# Allegro board 8880F5-0823_RXTX.brd (continued)
## Nets (continued)
N26496035: UNK3K12.5 UNK3R132.1
N26496039: UNK3K33.2 UNK3R82.1
N26496040: UNK3K33.4 UNK3R117.1
N26496047: UNK3K18.4 UNK3R5.1 UNK3R6.2
N26496049: UNK3K18.5 UNK3R6.1 UNK3R133.1
N26496050: UNK3C5.1 UNK3R133.2 UNK3Y1.1 UNK3Y2.1
N26496051: UNK3C6.1 UNK3R5.2 UNK3Y1.3 UNK3Y2.3
N26496080: UNK3K13.5 UNK3R120.2
N26496081: UNK3K13.4 UNK3R119.2
N26496142: UNK3J5.1 UNK3K28.5 UNK3R84.2
N26496146: UNK3J4.1 UNK3K28.4 UNK3R83.2
N26500269: UNK3J2.1 UNK3R89.1
N26500273: UNK3J3.1 UNK3R96.1
N26500275: UNK3J3.3 UNK3R93.1
N26500282: UNK3R90.1 UNK3U1.7
N26500307: UNK3J2.2 UNK3U1.3
N26500316: UNK3R97.1 UNK3U2.7
N26500343: UNK3J3.2 UNK3U2.3
N26500354: UNK3J2.3 UNK3R86.1
N26501112: UNK3CA21.1 UNK3K34.5
N26501118: UNK3CA23.1 UNK3K36.5 UNK3K36.8
N26501123: UNK3CA24.1 UNK3K37.5
N26501243: UNK3CA29.1 UNK3K42.5
N26501249: UNK3CA26.1 UNK3K39.5
N26501321: UNK3CA34.1 UNK3K31.5
N26501327: UNK3CA27.1 UNK3K40.5
N26501460: UNK3CA37.1 UNK3K39.8
N26501466: UNK3CA40.1 UNK3K42.8
N26501470: UNK3CA28.1 UNK3K40.8
N26501472: UNK3CA25.1 UNK3K37.8
N26501478: UNK3CA22.1 UNK3K34.8
N26504239: UNK4K25.3 UNK4R55.2
N26504240: UNK4K25.4 UNK4R56.1
N26504241: UNK4K25.6 UNK4R57.2
N26504242: UNK4K25.5 UNK4R58.1
N26504244: UNK4K26.3 UNK4R59.2
N26504245: UNK4K26.4 UNK4R60.1
N26504246: UNK4K26.6 UNK4R61.2
N26504247: UNK4K26.5 UNK4R62.1
N26504249: UNK4K27.5 UNK4R66.1
N26504250: UNK4K27.6 UNK4R65.2
N26504257: UNK4K22.6 UNK4R45.2
N26504258: UNK4K22.5 UNK4R46.1
N26504259: UNK4K23.3 UNK4R47.2
N26504260: UNK4K23.4 UNK4R48.1
N26504261: UNK4K23.6 UNK4R49.2
N26504262: UNK4K23.5 UNK4R50.1
N26504264: UNK4K24.3 UNK4R51.2
N26504265: UNK4K24.4 UNK4R52.1
N26504266: UNK4K24.6 UNK4R53.2
N26504267: UNK4K24.5 UNK4R54.1
N26504282: UNK4K22.3 UNK4R102.2
N26504283: UNK4K22.4 UNK4R103.1
N26504284: UNK4K27.3 UNK4R104.2
N26504285: UNK4K27.4 UNK4R105.1
N26504400: S4_RST_N.2 UNK4J1.2 UNK4K10.4 UNK4R85.2
N26504405: UNK4C7.1 UNK4J1.1
N26504440: UNK4K17.3 UNK4R71.2
N26504441: UNK4K17.4 UNK4R72.1
N26504442: UNK4K17.5 UNK4R74.1
N26504443: UNK4K17.6 UNK4R73.2
N26504444: UNK4K21.3 UNK4R75.2
N26504445: UNK4K21.4 UNK4R76.1
N26504446: UNK4K21.5 UNK4R78.1
N26504447: UNK4K21.6 UNK4R77.2
N26504448: UNK4K29.3 UNK4R79.2
N26504449: UNK4K29.4 UNK4R80.1
N26504450: UNK4K29.6 UNK4R43.2
N26504451: UNK4K29.5 UNK4R44.1
N26504452: UNK4K30.3 UNK4R63.2
N26504453: UNK4K30.4 UNK4R64.1
N26504454: UNK4K30.5 UNK4R101.1
N26504455: UNK4K30.6 UNK4R100.2
N26504536: UNK4K16.3 UNK4R67.2
N26504537: UNK4K16.4 UNK4R68.1
N26504538: UNK4K16.5 UNK4R70.1
N26504539: UNK4K16.6 UNK4R69.2
N26504561: UNK4K6.5 UNK4R30.1
N26504563: UNK4K6.3 UNK4R27.2
N26504564: UNK4K6.4 UNK4R28.1
N26504565: UNK4K6.6 UNK4R29.2
N26504566: UNK4K7.5 UNK4R34.1
N26504568: UNK4K7.3 UNK4R31.2
N26504569: UNK4K7.4 UNK4R32.1
N26504570: UNK4K7.6 UNK4R33.2
N26504612: UNK4K11.3 UNK4R39.2
N26504613: UNK4K11.4 UNK4R40.1
N26504614: UNK4K8.5 UNK4R38.1
N26504616: UNK4K8.6 UNK4R37.2
N26504617: UNK4K11.6 UNK4R41.2
N26504618: UNK4K11.5 UNK4R42.1
N26504660: UNK4K5.5 UNK4R26.1
N26504662: UNK4K5.3 UNK4R23.2
N26504663: UNK4K5.4 UNK4R24.1
N26504664: UNK4K5.6 UNK4R25.2
N26504685: UNK4K3.5 UNK4R18.1
N26504686: UNK4K3.6 UNK4R17.2
N26504687: UNK4K3.4 UNK4R16.1
N26504688: UNK4K3.3 UNK4R15.2
N26504691: UNK4K1.5 UNK4R10.1
N26504692: UNK4K1.6 UNK4R9.2
N26504693: UNK4K1.4 UNK4R8.1
N26504694: UNK4K1.3 UNK4R7.2
N26504696: UNK4K2.3 UNK4R11.2
N26504697: UNK4K2.4 UNK4R12.1
N26504698: UNK4K4.5 UNK4R22.1
N26504700: UNK4K4.3 UNK4R19.2
N26504701: UNK4K4.4 UNK4R20.1
N26504702: UNK4K4.6 UNK4R21.2
N26504703: UNK4K2.5 UNK4R14.1
N26504704: UNK4K2.6 UNK4R13.2
N26504890: UNK4K12.4 UNK4R131.1
N26504892: UNK4K12.5 UNK4R132.1
N26504896: UNK4K33.2 UNK4R82.1
N26504897: UNK4K33.4 UNK4R117.1
N26504904: UNK4K18.4 UNK4R5.1 UNK4R6.2
N26504906: UNK4K18.5 UNK4R6.1 UNK4R133.1
N26504907: UNK4C5.1 UNK4R133.2 UNK4Y1.1 UNK4Y2.1
N26504908: UNK4C6.1 UNK4R5.2 UNK4Y1.3 UNK4Y2.3
N26504937: UNK4K13.5 UNK4R120.2
N26504938: UNK4K13.4 UNK4R119.2
N26504999: UNK4J5.1 UNK4K28.5 UNK4R84.2
N26505003: UNK4J4.1 UNK4K28.4 UNK4R83.2
N26509126: UNK4J2.1 UNK4R89.1
N26509130: UNK4J3.1 UNK4R96.1
N26509132: UNK4J3.3 UNK4R93.1
N26509139: UNK4R90.1 UNK4U1.7
N26509164: UNK4J2.2 UNK4U1.3
N26509173: UNK4R97.1 UNK4U2.7
N26509200: UNK4J3.2 UNK4U2.3
N26509211: UNK4J2.3 UNK4R86.1
N26509969: UNK4CA21.1 UNK4K34.5
N26509975: UNK4CA23.1 UNK4K36.5 UNK4K36.8
N26509980: UNK4CA24.1 UNK4K37.5
N26510100: UNK4CA29.1 UNK4K42.5
N26510106: UNK4CA26.1 UNK4K39.5
N26510178: UNK4CA34.1 UNK4K31.5
N26510184: UNK4CA27.1 UNK4K40.5
N26510317: UNK4CA37.1 UNK4K39.8
N26510323: UNK4CA40.1 UNK4K42.8
N26510327: UNK4CA28.1 UNK4K40.8
N26510329: UNK4CA25.1 UNK4K37.8
N26510335: UNK4CA22.1 UNK4K34.8

Pads without a net: CSDPS225 A17 B17 C17 D17; CSDPS229 A17 B17 C17 D17; CSDPS425 A17 B17 C17 D17; CSDPS429 A17 B17 C17 D17; D101/D501 A1 A2 A3 A4 A5 A6 A7 A8 A9 A10 A11 A12 A13 A14 A15 A16 A17 B1 B2 B3 B4 B5 B6 B7 B8 B9 B10 B11 B12 B13 B14 B15 B16 B17 C1 C2 C3 C4 C5 C6 C7 C8 C9 C10 C11 C12 C13 C14 C15 C16 C17 D2 D3 D4 D5 D6 D7 D8 D9 D10 D11 D12 D13 D14 D15 D16; D102 17 A17 B17; D103 17 A17 B17; D104 17 A17 B17; D105/D505 A1 A2 A3 A4 A5 A6 A7 A8 A9 A10 A11 A12 A13 A14 A15 A16 A17 B1 B2 B3 B4 B5 B6 B7 B8 B9 B10 B11 B12 B13 B14 B15 B16 B17 C1 C2 C3 C4 C5 C6 C7 C8 C9 C10 C11 C12 C13 C14 C15 C16 C17 D2 D3 D4 D5 D6 D7 D8 D9 D10 D11 D12 D13 D14 D15 D16; D106 17 A17 B17; D107 17 A17 B17; D108 17 A17 B17; D109 17 A17 B17; D110 17 A17 B17; D111 17 A17 B17; D112 17 A17 B17; D113 17 A17 B17; D114 17 A17 B17; D115 17 A17 B17; D116 17 A17 B17; D117/D517 A1 A2 A3 A4 A5 A6 A7 A8 A9 A10 A11 A12 A13 A14 A15 A16 A17 B1 B2 B3 B4 B5 B6 B7 B8 B9 B10 B11 B12 B13 B14 B15 B16 B17 C1 C2 C3 C4 C5 C6 C7 C8 C9 C10 C11 C12 C13 C14 C15 C16 C17 D2 D3 D4 D5 D6 D7 D8 D9 D10 D11 D12 D13 D14 D15 D16; D118 17 A17 B17; D119 17 A17 B17; D120 17 A17 B17; D121/D521 A1 A2 A3 A4 A5 A6 A7 A8 A9 A10 A11 A12 A13 A14 A15 A16 A17 B1 B2 B3 B4 B5 B6 B7 B8 B9 B10 B11 B12 B13 B14 B15 B16 B17 C1 C2 C3 C4 C5 C6 C7 C8 C9 C10 C11 C12 C13 C14 C15 C16 C17 D2 D3 D4 D5 D6 D7 D8 D9 D10 D11 D12 D13 D14 D15 D16; D122 17 A17 B17; D123 17 A17 B17; D124 17 A17 B17; D125 17 A17 B17; D126 17 A17 B17; D127 17 A17 B17; D128 17 A17 B17; D129 17 A17 B17; D130 17 A17 B17; D131 17 A17 B17; D132 17 A17 B17; D301 17 A17 B17; D302 17 A17 B17; D305 17 A17 B17; D306 17 A17 B17; D309 A1 A3 A5 A7 A9 A11 A13 A15 A17 B1 B2 B3 B4 B5 B6 B7 B8 B9 B10 B11 B12 B13 B14 B15 B16 B17 C1 C2 C3 C4 C5 C6 C7 C8 C9 C10 C11 C12 C13 C14 C15 C16 C17 D2 D4 D6 D8 D10 D12 D14 D16; D313 A1 A3 A5 A7 A9 A11 A13 A15 A17 B1 B2 B3 B4 B5 B6 B7 B8 B9 B10 B11 B12 B13 B14 B15 B16 B17 C1 C2 C3 C4 C5 C6 C7 C8 C9 C10 C11 C12 C13 C14 C15 C16 C17 D2 D4 D6 D8 D10 D12 D14 D16; D317 17 A17 B17; D318 17 A17 B17; D321 17 A17 B17; D322 17 A17 B17; DPS1 A04 A08 A10 A14 B04 B08 B10 B14 C04 C08 C10 C14; DPS2 A04 A08 A10 A14 B04 B08 B10 B14 C04 C08 C10 C14; DPS3 A04 A08 A10 A14 B04 B08 B10 B14 C04 C08 C10 C14; DPS8 A04 A08 A10 A14 B04 B08 B10 B14 C04 C08 C10 C14; FD1 1; FD2 1; FD3 1; FD4 1; FD5 1; FD6 1; FD7 1; FD8 1; FD9 1; FD10 1; FD11 1; FD12 1; FD13 1; FD14 1; FD15 1; FD16 1; HX8880-F05 1; JG_220919AA01 1; JG_220919AA02 1; K1 2 7; K2 2 7; K3 2 7; K4 2 7; K5 2 7; K6 2 7; K7 2 7; K8 2 3 4 7; K10 2 5 6 7; K11 2 7; K12 2 7; K13 2 7; K16 2 7; K17 2 7; K21 2 7; K22 2 7; K23 2 7; K24 2 7; K25 2 7; K26 2 7; K27 2 7; K28 2 7; K29 2 7; K30 2 7; K31 3 8 9 10; K33 5 6 7; K34 3 10; K36 3 10; K37 3 10; K39 3 10; K40 3 10; K42 3 10; LOGO1 1; LOGO2 1; LQFP176-20X20-P0.4 1; S1_I2C 3; S2_I2C 3; S3_I2C 3; S4_I2C 3; SITE1 NUT1 NUT2 NUT3 NUT4; SITE2 NUT1 NUT2 NUT3 NUT4; SITE3 NUT1 NUT2 NUT3 NUT4; SITE4 NUT1 NUT2 NUT3 NUT4; SKB NUT1 NUT2 NUT3 NUT4; TPL1 1; TPL2 1; TPL3 1; TPL4 1; TPL5 1; TPL6 1; TPL7 1; TPL8 1; TPL9 1; TPL10 1; TPL11 1; TPL12 1; TPL13 1; TPL14 1; TPL15 1; TPL16 1; TPL17 1; TPL18 1; TPL19 1; TPL20 1; TPL21 1; TPL22 1; TPL23 1; TPL24 1; TPL25 1; TPL26 1; TPL27 1; TPL28 1; TPL29 1; TPL30 1; TPL31 1; TPL32 1; TPL33 1; TPL34 1; TPL35 1; TPL36 1; TPL37 1; TPL38 1; TPL39 1; TPL40 1; UF1 1; UF2 1; UNK2K1 2 7; UNK2K2 2 7; UNK2K3 2 7; UNK2K4 2 7; UNK2K5 2 7; UNK2K6 2 7; UNK2K7 2 7; UNK2K8 2 3 4 7; UNK2K10 2 5 6 7; UNK2K11 2 7; UNK2K12 2 7; UNK2K13 2 7; UNK2K16 2 7; UNK2K17 2 7; UNK2K21 2 7; UNK2K22 2 7; UNK2K23 2 7; UNK2K24 2 7; UNK2K25 2 7; UNK2K26 2 7; UNK2K27 2 7; UNK2K28 2 7; UNK2K29 2 7; UNK2K30 2 7; UNK2K31 3 8 9 10; UNK2K33 5 6 7; UNK2K34 3 10; UNK2K36 3 10; UNK2K37 3 10; UNK2K39 3 10; UNK2K40 3 10; UNK2K42 3 10; UNK2UF1 1; UNK2UF2 1; UNK3K1 2 7; UNK3K2 2 7; UNK3K3 2 7; UNK3K4 2 7; UNK3K5 2 7; UNK3K6 2 7; UNK3K7 2 7; UNK3K8 2 3 4 7; UNK3K10 2 5 6 7; UNK3K11 2 7; UNK3K12 2 7; UNK3K13 2 7; UNK3K16 2 7; UNK3K17 2 7; UNK3K21 2 7; UNK3K22 2 7; UNK3K23 2 7; UNK3K24 2 7; UNK3K25 2 7; UNK3K26 2 7; UNK3K27 2 7; UNK3K28 2 7; UNK3K29 2 7; UNK3K30 2 7; UNK3K31 3 8 9 10; UNK3K33 5 6 7; UNK3K34 3 10; UNK3K36 3 10; UNK3K37 3 10; UNK3K39 3 10; UNK3K40 3 10; UNK3K42 3 10; UNK3UF1 1; UNK3UF2 1; UNK4K1 2 7; UNK4K2 2 7; UNK4K3 2 7; UNK4K4 2 7; UNK4K5 2 7; UNK4K6 2 7; UNK4K7 2 7; UNK4K8 2 3 4 7; UNK4K10 2 5 6 7; UNK4K11 2 7; UNK4K12 2 7; UNK4K13 2 7; UNK4K16 2 7; UNK4K17 2 7; UNK4K21 2 7; UNK4K22 2 7; UNK4K23 2 7; UNK4K24 2 7; UNK4K25 2 7; UNK4K26 2 7; UNK4K27 2 7; UNK4K28 2 7; UNK4K29 2 7; UNK4K30 2 7; UNK4K31 3 8 9 10; UNK4K33 5 6 7; UNK4K34 3 10; UNK4K36 3 10; UNK4K37 3 10; UNK4K39 3 10; UNK4K40 3 10; UNK4K42 3 10; UNK4UF1 1; UNK4UF2 1; UNK038HX-8880F5K4Q-A100 1; UNK980HX-8880F5-KBG- 1; UTL1 A17 B17; UTL2 A17 B17; UTL3 A17 B17; UTL4 A17 B17; UTL5 A17 B17; UTL6 A17 B17; UTL7 A17 B17; UTL8 A17 B17

## Via types
v1: diameter 0.559, hole 0.305, TOP to BOTTOM, 5268 vias
v2: diameter 0.508, hole 0.305, TOP to BOTTOM, 79 vias

## Routing (per net, layer and track width the routed paths; a pad name or vN(x,y) marks a point on that pad's centre or on a via; arc(x,y) is an arc through that point)
GND: length 26272.7
  TOP w0.231: SITE4.23 331.03,175.16 v1(330.96,175.23) ; SITE1.38 257.03,234.83 arc(256.91,235.11) 256.63,235.23 v1(256.36,235.23) ; SITE3.146 241.07,188.03 241.43,187.67 v1(241.43,187.43) ; v1(243.63,175.36) 243.63,175.23 243.51,175.11 arc(243.45,175.02) 243.43,174.91 SITE3.4 ; SITE3.23 251.03,175.16 v1(250.96,175.23) ; SITE1.108 251.83,253.88 v1(251.54,253.59) ; SITE2.146 321.07,248.03 321.43,247.67 v1(321.43,247.43) ; SITE4.34 335.43,170.48 339.8,166.12 arc(339.85,166.04) 339.86,165.95 339.86,165.81 ; v1(331.54,193.59) 331.83,193.88 SITE4.108 ; 339.86,225.81 339.86,225.95 arc(339.85,226.04) 339.8,226.12 335.43,230.48 SITE2.34 ; SITE1.28 253.03,231.52 ; SITE4.62 v1(340.23,182.83) ; v1(243.63,235.36) 243.63,235.23 243.51,235.11 arc(243.45,235.02) 243.43,234.91 SITE1.4 ; SITE1.128 243.83,254.23 v1(243.63,254.03) ; 259.86,225.81 259.86,225.95 arc(259.85,226.04) 259.8,226.12 255.43,230.48 SITE1.34 ; SITE2.128 323.83,254.23 v1(323.63,254.03) ; SITE2.28 333.03,231.52 ; v1(256.36,175.23) 256.63,175.23 arc(256.91,175.11) 257.03,174.83 SITE3.38 ; v1(330.96,235.23) 331.03,235.16 SITE2.23 ; SITE2.62 v1(340.23,242.83) ; SITE1.146 241.07,248.03 241.43,247.67 v1(241.43,247.43) ; v1(336.36,175.23) 336.63,175.23 arc(336.91,175.11) 337.03,174.83 SITE4.38 ; SITE1.23 251.03,235.16 v1(250.96,235.23) ; 253.56,165.29 253.28,165.57 arc(253.09,165.84) 253.03,166.17 SITE3.28 ; SITE4.146 321.07,188.03 321.43,187.67 v1(321.43,187.43) ; v1(323.63,175.36) 323.63,175.23 323.51,175.11 arc(323.45,175.02) 323.43,174.91 SITE4.4 ; v1(336.36,235.23) 336.63,235.23 arc(336.91,235.11) 337.03,234.83 SITE2.38 ; 333.56,165.29 333.28,165.57 arc(333.09,165.84) 333.03,166.17 SITE4.28 ; SITE2.4 323.43,234.91 arc(323.45,235.02) 323.51,235.11 323.63,235.23 v1(323.63,235.36) ; SITE4.128 323.83,194.23 v1(323.63,194.03) ; 259.86,165.81 259.86,165.95 arc(259.85,166.04) 259.8,166.12 255.43,170.48 SITE3.34 ; SITE1.62 v1(260.23,242.83) ; v1(331.54,253.59) 331.83,253.88 SITE2.108 ; SITE3.62 v1(260.23,182.83)
  TOP w0.381: v1(310.42,193.69) UNK4CD12.2 ; v1(310.42,189.2) UNK4CD25.2 ; v1(251.94,265.56) CD18.2 ; v1(352.24,182.64) UNK4CD7.2 ; v1(230.42,183.41) UNK3CD19.2 ; v1(256.77,224.73) CD9.2 ; v1(330.17,164.73) UNK4CD23.2 ; v1(259.65,205.56) UNK3CD11.2 ; v1(272.24,181.37) UNK3CD3.2 ; v1(230.42,246.66) CD6.2 ; v1(310.42,247.93) UNK2CD17.2 ; v1(331.06,224.73) UNK2CD8.2 ; v1(272.24,249.5) CD10.2 ; UNK3CD21.2 v1(262.36,164.73) ; v1(327.57,205.56) UNK4CD24.2 ; v1(230.42,253.69) CD12.2 ; v1(272.24,241.37) CD3.2 ; v1(327.57,265.56) UNK2CD24.2 ; v1(230.42,189.2) UNK3CD25.2 ; v1(250.17,224.73) CD23.2 ; v1(253.72,205.56) UNK3CD16.2 ; v1(272.24,242.64) CD7.2 ; v1(331.05,265.56) UNK2CD14.2 ; v1(237.98,164.73) UNK3CD1.2 ; v1(329.28,164.73) UNK4CD22.2 ; v1(252.83,205.56) UNK3CD13.2 ; v1(339.65,205.56) UNK4CD11.2 ; v1(332.83,205.56) UNK4CD13.2 ; v1(333.72,265.56) UNK2CD16.2 ; v1(336.77,224.73) UNK2CD9.2 ; v1(230.42,186.66) UNK3CD6.2 ; v1(272.24,243.91) CD20.2 ; v1(250.17,164.73) UNK3CD23.2 ; v1(352.24,243.91) UNK2CD20.2 ; v1(310.42,186.66) UNK4CD6.2 ; v1(310.42,183.41) UNK4CD19.2 ; v1(254.61,205.56) UNK3CD4.2 ; v1(331.94,265.56) UNK2CD18.2 ; v1(317.98,164.73) UNK4CD1.2 ; v1(334.61,205.56) UNK4CD4.2 ; v1(339.65,265.56) UNK2CD11.2 ; v1(331.06,164.73) UNK4CD8.2 ; v1(230.42,243.41) CD19.2 ; v1(331.05,205.56) UNK4CD14.2 ; v1(230.42,249.2) CD25.2 ; v1(247.57,205.56) UNK3CD24.2 ; v1(230.42,247.93) CD17.2 ; v1(310.42,243.41) UNK2CD19.2 ; v1(259.65,265.56) CD11.2 ; UNK4CD5.2 v1(343.63,164.73) ; v1(352.24,241.37) UNK2CD3.2 ; v1(272.24,189.5) UNK3CD10.2 ; v1(251.05,205.56) UNK3CD14.2 ; CD21.2 v1(262.36,224.73) ; v1(256.77,164.73) UNK3CD9.2 ; v1(352.24,189.5) UNK4CD10.2 ; v1(352.24,183.91) UNK4CD20.2 ; v1(230.42,187.93) UNK3CD17.2 ; v1(251.94,205.56) UNK3CD18.2 ; v1(310.42,246.66) UNK2CD6.2 ; v1(272.24,185.18) UNK3CD15.2 ; v1(310.42,249.2) UNK2CD25.2 ; v1(252.83,265.56) CD13.2 ; v1(272.24,183.91) UNK3CD20.2 ; v1(352.24,245.18) UNK2CD15.2 ; v1(251.06,164.73) UNK3CD8.2 ; v1(330.17,224.73) UNK2CD23.2 ; v1(253.72,265.56) CD16.2 ; v1(317.98,224.73) UNK2CD1.2 ; v1(251.06,224.73) CD8.2 ; CD5.2 v1(263.63,224.73) ; v1(329.28,224.73) UNK2CD22.2 ; UNK4CD21.2 v1(342.36,164.73) ; v1(249.28,224.73) CD22.2 ; v1(352.24,181.37) UNK4CD3.2 ; v1(230.42,193.69) UNK3CD12.2 ; v1(272.24,245.18) CD15.2 ; v1(332.83,265.56) UNK2CD13.2 ; v1(336.77,164.73) UNK4CD9.2 ; v1(333.72,205.56) UNK4CD16.2 ; v1(237.98,224.73) CD1.2 ; v1(310.42,187.93) UNK4CD17.2 ; v1(334.61,265.56) UNK2CD4.2 ; v1(251.05,265.56) CD14.2 ; UNK2CD21.2 v1(342.36,224.73) ; v1(352.24,242.64) UNK2CD7.2 ; v1(352.24,185.18) UNK4CD15.2 ; v1(247.57,265.56) CD24.2 ; UNK2CD5.2 v1(343.63,224.73) ; v1(249.28,164.73) UNK3CD22.2 ; v1(272.24,182.64) UNK3CD7.2 ; UNK3CD5.2 v1(263.63,164.73) ; v1(352.24,249.5) UNK2CD10.2 ; v1(331.94,205.56) UNK4CD18.2 ; v1(310.42,253.69) UNK2CD12.2 ; v1(254.61,265.56) CD4.2
  L03_SIGNAL w0.074: D118.B5 170.18,79.55 ; D118.B5 170.18,77.93 ; D118.B5 170.99,78.74 ; D118.B5 169.37,78.74 ; D114.A16 310.69,353.06 ; D114.A16 309.88,353.87 ; D114.A16 309.07,353.06 ; D114.A16 309.88,352.25 ; 263.35,38.1 D124.B13 ; D124.B13 264.97,38.1 ; D124.B13 264.16,37.29 ; D124.B13 264.16,38.91 ; D106.B10 403.86,82.09 ; D106.B10 403.86,80.47 ; D106.B10 404.67,81.28 ; D106.B10 403.05,81.28 ; 333.33,180.85 SITE4.G6 ; SITE4.G6 333.33,181.81 ; SITE4.G6 333.81,181.33 ; SITE4.G6 332.85,181.33 ; D127.B12 41.45,60.96 ; D127.B12 39.83,60.96 ; D127.B12 40.64,60.15 ; D127.B12 40.64,61.77 ; D123.A15 270.05,53.34 ; D123.A15 268.43,53.34 ; D123.A15 269.24,52.53 ; D123.A15 269.24,54.15 ; D129.B9 107.49,99.06 ; D129.B9 105.87,99.06 ; D129.B9 106.68,98.25 ; D129.B9 106.68,99.87 ; D118.A10 183.69,76.2 ; D118.A10 182.07,76.2 ; D118.A10 182.88,75.39 ; D118.A10 182.88,77.01 ; 172.72,342.09 CSDPS429.B12 ; CSDPS429.B12 172.72,343.71 ; CSDPS429.B12 173.53,342.9 ; CSDPS429.B12 171.91,342.9 ; DPS2.C01 348.79,410.21 ; DPS2.C01 347.98,409.4 ; DPS2.C01 347.17,410.21 ; DPS2.C01 347.98,411.02 ; D302.A10 330.91,66.04 ; D302.A10 329.49,66.04 ; D302.A10 330.2,65.33 ; D302.A10 330.2,66.75 ; D122.B15 270.05,78.74 ; D122.B15 268.43,78.74 ; D122.B15 269.24,77.93 ; D122.B15 269.24,79.55 ; 332.15,182.83 SITE4.G16 ; SITE4.G16 332.63,183.31 ; SITE4.G16 332.63,182.35 ; SITE4.G16 333.11,182.83 ; D301.A15 343.61,83.82 ; D301.A15 342.9,83.11 ; D301.A15 342.19,83.82 ; D301.A15 342.9,84.53 ; D302.B16 346.15,71.12 ; D302.B16 345.44,70.41 ; D302.B16 344.73,71.12 ; D302.B16 345.44,71.83 ; 22.05,73.66 D126.A5 ; D126.A5 23.67,73.66 ; D126.A5 22.86,72.85 ; D126.A5 22.86,74.47 ; CSDPS229.B8 182.88,333.55 ; CSDPS229.B8 182.88,331.93 ; CSDPS229.B8 183.69,332.74 ; CSDPS229.B8 182.07,332.74 ; 119.38,55.07 D131.A14 ; D131.A14 119.38,56.69 ; D131.A14 118.57,55.88 ; D131.A14 120.19,55.88 ; D301.A11 333.45,83.82 ; D301.A11 332.74,84.53 ; D301.A11 332.74,83.11 ; D301.A11 332.03,83.82 ; 20.32,80.47 D126.B4 ; D126.B4 21.13,81.28 ; D126.B4 19.51,81.28 ; D126.B4 20.32,82.09 ; D113.B13 317.5,331.01 ; D113.B13 317.5,329.39 ; D113.B13 316.69,330.2 ; D113.B13 318.31,330.2 ; 249.33,187.45 SITE3.G8 ; SITE3.G8 248.85,187.93 ; SITE3.G8 249.81,187.93 ; SITE3.G8 249.33,188.41 ; 342.9,72.85 D102.A15 ; D102.A15 342.9,74.47 ; D102.A15 342.09,73.66 ; D102.A15 343.71,73.66 ; 325.12,367.49 D115.B10 ; D115.B10 324.31,368.3 ; D115.B10 325.93,368.3 ; D115.B10 325.12,369.11 ; D231.B13 170.99,370.84 ; D231.B13 169.37,370.84 ; D231.B13 170.18,371.65 ; D231.B13 170.18,370.03 ; D306.B3 386.79,68.58 ; D306.B3 385.37,68.58 ; D306.B3 386.08,67.87 ; D306.B3 386.08,69.29 ; 405.59,73.66 D106.A11 ; D106.A11 407.21,73.66 ; D106.A11 406.4,72.85 ; D106.A11 406.4,74.47 ; 314.96,392.89 D116.A14 ; D116.A14 314.96,394.51 ; D116.A14 315.77,393.7 ; D116.A14 314.15,393.7 ; D305.A14 414.73,86.36 ; D305.A14 414.02,85.65 ; D305.A14 413.31,86.36 ; D305.A14 414.02,87.07 ; 96.52,93.17 D129.A5 ; D129.A5 95.71,93.98 ; D129.A5 97.33,93.98 ; D129.A5 96.52,94.79 ; D301.B7 322.58,89.61 ; D301.B7 322.58,88.19 ; D301.B7 321.87,88.9 ; D301.B7 323.29,88.9 ; 328.33,180.85 SITE4.G1 ; SITE4.G1 328.33,181.81 ; SITE4.G1 327.85,181.33 ; SITE4.G1 328.81,181.33 ; 411.48,390.35 D112.B5 ; D112.B5 412.29,391.16 ; D112.B5 410.67,391.16 ; D112.B5 411.48,391.97 ; D306.B7 396.24,69.29 ; D306.B7 396.95,68.58 ; D306.B7 395.53,68.58 ; D306.B7 396.24,67.87 ; 410.77,88.9 D305.B13 ; D305.B13 412.19,88.9 ; D305.B13 411.48,89.61 ; D305.B13 411.48,88.19 ; 387.91,86.36 D305.A4 ; D305.A4 389.33,86.36 ; D305.A4 388.62,85.65 ; D305.A4 388.62,87.07 ; 195.58,375.11 D231.A3 ; D231.A3 194.77,375.92 ; D231.A3 196.39,375.92 ; D231.A3 195.58,376.73 ; 261.62,70.41 D322.B12 ; D322.B12 262.33,71.12 ; D322.B12 260.91,71.12 ; D322.B12 261.62,71.83 ; 387.81,76.2 D106.A4 ; D106.A4 389.43,76.2 ; D106.A4 388.62,75.39 ; D106.A4 388.62,77.01 ; 312.42,414.48 DPS2.A15 ; DPS2.A15 311.61,415.29 ; DPS2.A15 312.42,416.1 ; DPS2.A15 313.23,415.29 ; 199.85,330.2 CSDPS229.C1 ; CSDPS229.C1 200.66,331.01 ; CSDPS229.C1 201.47,330.2 ; CSDPS229.C1 200.66,329.39 ; D318.A14 193.75,66.04 ; D318.A14 193.04,65.33 ; D318.A14 192.33,66.04 ; D318.A14 193.04,66.75 ; 331.93,396.24 D116.A7 ; D116.A7 333.55,396.24 ; D116.A7 332.74,395.43 ; D116.A7 332.74,397.05 ; 411.48,72.85 D106.A13 ; D106.A13 411.48,74.47 ; D106.A13 410.67,73.66 ; D106.A13 412.29,73.66 ; 241.3,90.73 D321.B4 ; D321.B4 242.01,91.44 ; D321.B4 241.3,92.15 ; D321.B4 240.59,91.44 ; 419.1,70.41 D306.B16 ; D306.B16 419.81,71.12 ; D306.B16 418.39,71.12 ; D306.B16 419.1,71.83 ; D119.B11 185.42,59.23 ; D119.B11 185.42,57.61 ; D119.B11 186.23,58.42 ; D119.B11 184.61,58.42 ; 400.61,63.5 D306.A9 ; D306.A9 401.32,62.79 ; D306.A9 401.32,64.21 ; D306.A9 402.03,63.5 ; D231.A8 182.88,374.19 ; D231.A8 182.88,372.57 ; D231.A8 182.07,373.38 ; D231.A8 183.69,373.38 ; D108.A5 391.16,33.83 ; D108.A5 391.16,32.21 ; D108.A5 390.35,33.02 ; D108.A5 391.97,33.02 ; D106.A6 394.51,76.2 ; D106.A6 393.7,75.39 ; D106.A6 392.89,76.2 ; D106.A6 393.7,77.01 ; 35.56,100.79 D125.B10 ; D125.B10 36.37,101.6 ; D125.B10 34.75,101.6 ; D125.B10 35.56,102.41 ; D120.B16 198.93,40.64 ; D120.B16 198.12,39.83 ; D120.B16 197.31,40.64 ; D120.B16 198.12,41.45 ; 334.57,66.04 D302.A12 ; D302.A12 335.28,65.33 ; D302.A12 335.28,66.75 ; D302.A12 335.99,66.04 ; 386.08,72.85 D106.A3 ; D106.A3 386.89,73.66 ; D106.A3 385.27,73.66 ; D106.A3 386.08,74.47 ; 419.1,90.73 D305.B16 ; D305.B16 418.39,91.44 ; D305.B16 419.1,92.15 ; D305.B16 419.81,91.44 ; 309.07,373.38 D115.A16 ; D115.A16 310.69,373.38 ; D115.A16 309.88,374.19 ; D115.A16 309.88,372.57 ; CSDPS225.C9 254,331.01 ; CSDPS225.C9 254,329.39 ; CSDPS225.C9 254.81,330.2 ; CSDPS225.C9 253.19,330.2 ; D128.B2 16.05,40.64 ; D128.B2 15.24,41.45 ; D128.B2 14.43,40.64 ; D128.B2 15.24,39.83 ; D111.A2 419.1,374.19 ; D111.A2 418.29,373.38 ; D111.A2 419.91,373.38 ; D111.A2 419.1,372.57 ; D118.B7 176.07,78.74 ; D118.B7 175.26,79.55 ; D118.B7 174.45,78.74 ; D118.B7 175.26,77.93 ; CSDPS429.B6 187.96,343.71 ; CSDPS429.B6 187.15,342.9 ; CSDPS429.B6 187.96,342.09 ; CSDPS429.B6 188.77,342.9 ; D118.A13 190.5,74.47 ; D118.A13 190.5,72.85 ; D118.A13 191.31,73.66 ; D118.A13 189.69,73.66 ; D132.B16 125.27,40.64 ; D132.B16 124.46,41.45 ; D132.B16 123.65,40.64 ; D132.B16 124.46,39.83 ; 197.31,55.88 D119.A16 ; D119.A16 198.12,55.07 ; D119.A16 198.93,55.88 ; D119.A16 198.12,56.69 ; 324.31,327.66 D113.B10 ; D113.B10 325.93,327.66 ; D113.B10 325.12,328.47 ; D113.B10 325.12,326.85 ; D122.B4 241.3,82.09 ; D122.B4 240.49,81.28 ; D122.B4 242.11,81.28 ; D122.B4 241.3,80.47 ; 329.75,246.43 SITE2.G18 ; SITE2.G18 330.71,246.43 ; SITE2.G18 330.23,246.91 ; SITE2.G18 330.23,245.95 ; 248.92,83.11 D321.A7 ; D321.A7 248.92,84.53 ; D321.A7 249.63,83.82 ; D321.A7 248.21,83.82 ; D113.A15 312.42,336.09 ; D113.A15 312.42,334.47 ; D113.A15 311.61,335.28 ; D113.A15 313.23,335.28 ; 309.88,90.73 D301.B2 ; D301.B2 310.59,91.44 ; D301.B2 309.17,91.44 ; D301.B2 309.88,92.15 ; D321.B14 267.41,91.44 ; D321.B14 266.7,92.15 ; D321.B14 266.7,90.73 ; D321.B14 265.99,91.44 ; 86.36,77.93 D130.B1 ; D130.B1 86.36,79.55 ; D130.B1 85.55,78.74 ; D130.B1 87.17,78.74 ; 396.24,52.53 D107.A7 ; D107.A7 396.24,54.15 ; D107.A7 397.05,53.34 ; D107.A7 395.43,53.34 ; D231.B8 183.69,368.3 ; D231.B8 182.88,367.49 ; D231.B8 182.88,369.11 ; D231.B8 182.07,368.3 ; 398.78,372.57 D111.A10 ; D111.A10 397.97,373.38 ; D111.A10 399.59,373.38 ; D111.A10 398.78,374.19 ; 37.29,38.1 D128.B11 ; D128.B11 38.1,38.91 ; D128.B11 38.1,37.29 ; D128.B11 38.91,38.1 ; 185.42,67.87 D318.B11 ; D318.B11 186.13,68.58 ; D318.B11 184.71,68.58 ; D318.B11 185.42,69.29 ; 329.75,242.83 SITE2.G14 ; SITE2.G14 330.23,243.31 ; SITE2.G14 330.23,242.35 ; SITE2.G14 330.71,242.83 ; 105.87,93.98 D129.A9 ; D129.A9 106.68,93.17 ; D129.A9 107.49,93.98 ; D129.A9 106.68,94.79 ; 418.29,368.3 D111.B2 ; D111.B2 419.1,367.49 ; D111.B2 419.1,369.11 ; D111.B2 419.91,368.3 ; 104.14,55.07 D131.A8 ; D131.A8 104.14,56.69 ; D131.A8 104.95,55.88 ; D131.A8 103.33,55.88 ; D302.B15 343.61,68.58 ; D302.B15 342.9,67.87 ; D302.B15 342.9,69.29 ; D302.B15 342.19,68.58 ; 388.62,331.93 D109.A14 ; D109.A14 387.81,332.74 ; D109.A14 389.43,332.74 ; 419.1,352.25 D110.A2 ; D110.A2 418.29,353.06 ; D110.A2 419.1,353.87 ; D110.A2 419.91,353.06 ; D123.B14 266.7,61.77 ; D123.B14 265.89,60.96 ; D123.B14 267.51,60.96 ; D123.B14 266.7,60.15 ; D120.A12 188.77,35.56 ; D120.A12 187.96,36.37 ; D120.A12 187.15,35.56 ; D120.A12 187.96,34.75 ; CSDPS425.C11 249.73,340.36 ; CSDPS425.C11 248.11,340.36 ; CSDPS425.C11 248.92,339.55 ; CSDPS425.C11 248.92,341.17 ; 481.55,171.51 UNK4U2.4 ; UNK4U2.4 482.49,172.45 ; UNK4U2.4 482.49,170.56 ; UNK4U2.4 483.43,171.51 ; D112.B8 404.67,388.62 ; D112.B8 403.86,389.43 ; D112.B8 403.86,387.81 ; D112.B8 403.05,388.62 ; 162.56,60.15 D119.B2 ; D119.B2 163.37,60.96 ; D119.B2 162.56,61.77 ; D119.B2 161.75,60.96 ; D127.B8 31.29,60.96 ; D127.B8 29.67,60.96 ; D127.B8 30.48,60.15 ; D127.B8 30.48,61.77 ; D126.B9 33.02,79.55 ; D126.B9 33.02,77.93 ; D126.B9 32.21,78.74 ; D126.B9 33.83,78.74 ; D114.B13 317.5,351.33 ; D114.B13 317.5,349.71 ; D114.B13 316.69,350.52 ; D114.B13 318.31,350.52 ; 189.69,415.29 DPS8.A05 ; DPS8.A05 191.31,415.29 ; DPS8.A05 190.5,416.1 ; DPS8.A05 190.5,414.48 ; 415.75,350.52 D110.B3 ; D110.B3 417.37,350.52 ; D110.B3 416.56,349.71 ; D110.B3 416.56,351.33 ; UNK3U2.4 98.34,175.46 ; UNK3U2.4 97.4,174.52 ; UNK3U2.4 97.4,176.4 ; UNK3U2.4 96.46,175.46 ; D431.B7 186.23,381 ; D431.B7 185.42,381.81 ; D431.B7 184.61,381 ; D431.B7 185.42,380.19 ; 309.88,60.15 D103.B2 ; D103.B2 309.07,60.96 ; D103.B2 310.69,60.96 ; D103.B2 309.88,61.77 ; D116.B13 317.5,391.97 ; D116.B13 316.69,391.16 ; D116.B13 318.31,391.16 ; D116.B13 317.5,390.35 ; 176.99,332.74 CSDPS229.B10 ; CSDPS229.B10 177.8,331.93 ; CSDPS229.B10 178.61,332.74 ; CSDPS229.B10 177.8,333.55 ; 256.54,60.15 D123.B10 ; D123.B10 257.35,60.96 ; D123.B10 255.73,60.96 ; D123.B10 256.54,61.77 ; 49.99,60.96 D127.B16 ; D127.B16 50.8,60.15 ; D127.B16 51.61,60.96 ; D127.B16 50.8,61.77 ; DPS1.C01 381,19.86 ; DPS1.C01 381,18.24 ; DPS1.C01 380.19,19.05 ; DPS1.C01 381.81,19.05 ; D111.B10 398.78,369.11 ; D111.B10 399.59,368.3 ; D111.B10 398.78,367.49 ; D111.B10 397.97,368.3 ; 403.05,332.74 D109.A8 ; D109.A8 403.86,331.93 ; D109.A8 404.67,332.74 ; D109.A8 403.86,333.55 ; 312.42,88.19 D301.B3 ; D301.B3 311.71,88.9 ; D301.B3 312.42,89.61 ; D301.B3 313.13,88.9 ; D116.A8 330.2,394.51 ; D116.A8 330.2,392.89 ; D116.A8 329.39,393.7 ; D116.A8 331.01,393.7 ; D109.B8 403.86,328.47 ; D109.B8 404.67,327.66 ; D109.B8 403.86,326.85 ; D109.B8 403.05,327.66 ; D111.B9 402.13,370.84 ; D111.B9 401.32,371.65 ; D111.B9 400.51,370.84 ; D111.B9 401.32,370.03 ; D127.A8 31.29,55.88 ; D127.A8 30.48,55.07 ; D127.A8 30.48,56.69 ; D127.A8 29.67,55.88 ; D321.A3 238.76,84.53 ; D321.A3 238.05,83.82 ; D321.A3 238.76,83.11 ; D321.A3 239.47,83.82 ; 160.02,380.19 D431.B17 ; D431.B17 159.21,381 ; D431.B17 160.83,381 ; D431.B17 160.02,381.81 ; 189.69,381 D431.B5 ; D431.B5 191.31,381 ; D431.B5 190.5,381.81 ; D431.B5 190.5,380.19 ; D125.A10 35.56,97.33 ; D125.A10 36.37,96.52 ; D125.A10 35.56,95.71 ; D125.A10 34.75,96.52 ; D125.B11 38.1,99.87 ; D125.B11 38.1,98.25 ; D125.B11 37.29,99.06 ; D125.B11 38.91,99.06 ; D111.A9 402.13,375.92 ; D111.A9 401.32,376.73 ; D111.A9 400.51,375.92 ; D111.A9 401.32,375.11 ; 250.75,71.12 D322.B8 ; D322.B8 251.46,71.83 ; D322.B8 252.17,71.12 ; D322.B8 251.46,70.41 ; D110.A1 422.45,355.6 ; D110.A1 421.64,356.41 ; D110.A1 421.64,354.79 ; D110.A1 420.83,355.6 ; 174.55,88.9 D317.B7 ; D317.B7 175.97,88.9 ; D317.B7 175.26,88.19 ; D317.B7 175.26,89.61 ; 29.67,35.56 D128.A8 ; D128.A8 30.48,36.37 ; D128.A8 31.29,35.56 ; D128.A8 30.48,34.75 ; 334.57,91.44 D301.B12 ; D301.B12 335.99,91.44 ; D301.B12 335.28,92.15 ; D301.B12 335.28,90.73 ; D126.A1 12.7,74.47 ; D126.A1 11.89,73.66 ; D126.A1 13.51,73.66 ; D126.A1 12.7,72.85 ; D104.A9 328.47,33.02 ; D104.A9 327.66,32.21 ; D104.A9 327.66,33.83 ; D104.A9 326.85,33.02 ; D129.A4 94.79,96.52 ; D129.A4 93.98,97.33 ; D129.A4 93.17,96.52 ; D129.A4 93.98,95.71 ; 481.65,185.11 UNK4U1.4 ; UNK4U1.4 483.53,185.11 ; UNK4U1.4 482.59,186.05 ; UNK4U1.4 482.59,184.17 ; 48.26,98.25 D125.B15 ; D125.B15 48.26,99.87 ; D125.B15 47.45,99.06 ; D125.B15 49.07,99.06 ; 190.5,52.53 D119.A13 ; D119.A13 190.5,54.15 ; D119.A13 191.31,53.34 ; D119.A13 189.69,53.34 ; D112.A10 398.78,394.51 ; D112.A10 398.78,392.89 ; D112.A10 399.59,393.7 ; D112.A10 397.97,393.7 ; 253.19,340.36 CSDPS425.C9 ; CSDPS425.C9 254,339.55 ; CSDPS425.C9 254,341.17 ; CSDPS425.C9 254.81,340.36 ; 246.38,331.93 CSDPS225.B12 ; CSDPS225.B12 247.19,332.74 ; CSDPS225.B12 245.57,332.74 ; CSDPS225.B12 246.38,333.55 ; D321.A10 257.25,86.36 ; D321.A10 256.54,85.65 ; D321.A10 256.54,87.07 ; D321.A10 255.83,86.36 ; SITE4.G5 332.81,181.33 ; SITE4.G5 332.33,181.81 ; SITE4.G5 331.85,181.33 ; SITE4.G5 332.33,180.85 ; D306.B8 399.49,71.12 ; D306.B8 398.78,70.41 ; D306.B8 398.07,71.12 ; D306.B8 398.78,71.83 ; D321.B10 256.54,92.15 ; D321.B10 256.54,90.73 ; D321.B10 255.83,91.44 ; D321.B10 257.25,91.44 ; CSDPS425.C7 259.89,340.36 ; CSDPS425.C7 259.08,339.55 ; CSDPS425.C7 259.08,341.17 ; CSDPS425.C7 258.27,340.36 ; 321.87,68.58 D302.B7 ; D302.B7 323.29,68.58 ; D302.B7 322.58,67.87 ; D302.B7 322.58,69.29 ; D122.A9 254,74.47 ; D122.A9 254,72.85 ; D122.A9 253.19,73.66 ; D122.A9 254.81,73.66 ; D107.B8 398.78,61.77 ; D107.B8 398.78,60.15 ; D107.B8 397.97,60.96 ; D107.B8 399.59,60.96 ; 48.26,32.21 D128.A15 ; D128.A15 49.07,33.02 ; D128.A15 48.26,33.83 ; D128.A15 47.45,33.02 ; D112.A14 388.62,394.51 ; D112.A14 388.62,392.89 ; D112.A14 389.43,393.7 ; D112.A14 387.81,393.7 ; D132.B14 120.19,40.64 ; D132.B14 119.38,41.45 ; D132.B14 118.57,40.64 ; D132.B14 119.38,39.83 ; D108.B11 407.21,38.1 ; D108.B11 406.4,37.29 ; D108.B11 405.59,38.1 ; D108.B11 406.4,38.91 ; 307.34,57.61 D103.B1 ; D103.B1 307.34,59.23 ; D103.B1 306.53,58.42 ; D103.B1 308.15,58.42 ; D127.B15 48.26,59.23 ; D127.B15 47.45,58.42 ; D127.B15 49.07,58.42 ; D127.B15 48.26,57.61 ; D102.B7 323.39,78.74 ; D102.B7 321.77,78.74 ; D102.B7 322.58,79.55 ; D102.B7 322.58,77.93 ; 98.25,96.52 D129.A6 ; D129.A6 99.06,95.71 ; D129.A6 99.87,96.52 ; D129.A6 99.06,97.33 ; D119.A9 181.15,53.34 ; D119.A9 180.34,52.53 ; D119.A9 179.53,53.34 ; D119.A9 180.34,54.15 ; 108.41,81.28 D130.B10 ; D130.B10 109.22,82.09 ; D130.B10 110.03,81.28 ; D130.B10 109.22,80.47 ; D130.B3 92.25,78.74 ; D130.B3 90.63,78.74 ; D130.B3 91.44,77.93 ; D130.B3 91.44,79.55 ; 248.21,88.9 D321.B7 ; D321.B7 248.92,89.61 ; D321.B7 249.63,88.9 ; D321.B7 248.92,88.19 ; D305.B3 386.79,88.9 ; D305.B3 386.08,88.19 ; D305.B3 386.08,89.61 ; D305.B3 385.37,88.9 ; 418.29,332.74 D109.A2 ; D109.A2 419.1,333.55 ; D109.A2 419.91,332.74 ; D109.A2 419.1,331.93 ; D112.B2 419.91,388.62 ; D112.B2 419.1,387.81 ; D112.B2 418.29,388.62 ; D112.B2 419.1,389.43 ; D106.A8 398.78,77.01 ; D106.A8 399.59,76.2 ; D106.A8 397.97,76.2 ; D106.A8 398.78,75.39 ; 195.58,88.19 D317.B15 ; D317.B15 195.58,89.61 ; D317.B15 194.87,88.9 ; D317.B15 196.29,88.9 ; D127.A7 27.94,54.15 ; D127.A7 27.94,52.53 ; D127.A7 28.75,53.34 ; D127.A7 27.13,53.34 ; 190.5,37.29 D120.B13 ; D120.B13 190.5,38.91 ; D120.B13 189.69,38.1 ; D120.B13 191.31,38.1 ; 37.29,58.42 D127.B11 ; D127.B11 38.91,58.42 ; D127.B11 38.1,57.61 ; D127.B11 38.1,59.23 ; 269.24,18.24 DPS3.C15 ; DPS3.C15 268.43,19.05 ; DPS3.C15 270.05,19.05 ; DPS3.C15 269.24,19.86 ; SITE1.G3 250.81,241.33 ; SITE1.G3 249.85,241.33 ; SITE1.G3 250.33,240.85 ; SITE1.G3 250.33,241.81 ; D126.B1 13.51,78.74 ; D126.B1 11.89,78.74 ; D126.B1 12.7,77.93 ; D126.B1 12.7,79.55 ; CSDPS225.C7 259.89,330.2 ; CSDPS225.C7 258.27,330.2 ; CSDPS225.C7 259.08,329.39 ; CSDPS225.C7 259.08,331.01 ; 116.84,37.29 D132.B13 ; D132.B13 117.65,38.1 ; D132.B13 116.84,38.91 ; D132.B13 116.03,38.1 ; D118.B12 188.77,81.28 ; D118.B12 187.96,80.47 ; D118.B12 187.15,81.28 ; D118.B12 187.96,82.09 ; 410.67,396.24 D112.A5 ; D112.A5 412.29,396.24 ; D112.A5 411.48,395.43 ; D112.A5 411.48,397.05 ; 121.11,53.34 D131.A15 ; D131.A15 122.73,53.34 ; D131.A15 121.92,52.53 ; D131.A15 121.92,54.15 ; D128.B7 28.75,38.1 ; D128.B7 27.94,38.91 ; D128.B7 27.13,38.1 ; D128.B7 27.94,37.29 ; 243.13,88.9 D321.B5 ; D321.B5 243.84,88.19 ; D321.B5 243.84,89.61 ; D321.B5 244.55,88.9 ; 167.64,55.07 D119.A4 ; D119.A4 167.64,56.69 ; D119.A4 168.45,55.88 ; D119.A4 166.83,55.88 ; D107.B11 407.21,58.42 ; D107.B11 405.59,58.42 ; D107.B11 406.4,57.61 ; D107.B11 406.4,59.23 ; 269.24,37.29 D124.B15 ; D124.B15 268.43,38.1 ; D124.B15 270.05,38.1 ; D124.B15 269.24,38.91 ; D431.B11 176.07,381 ; D431.B11 175.26,380.19 ; D431.B11 175.26,381.81 ; D431.B11 174.45,381 ; D126.A10 35.56,77.01 ; D126.A10 36.37,76.2 ; D126.A10 35.56,75.39 ; D126.A10 34.75,76.2 ; D119.B8 177.8,61.77 ; D119.B8 177.8,60.15 ; D119.B8 178.61,60.96 ; D119.B8 176.99,60.96 ; D102.A1 307.34,74.47 ; D102.A1 307.34,72.85 ; D102.A1 306.53,73.66 ; D102.A1 308.15,73.66 ; 259.08,13.16 DPS3.A11 ; DPS3.A11 259.08,14.78 ; DPS3.A11 258.27,13.97 ; DPS3.A11 259.89,13.97 ; 408.13,81.28 D106.B12 ; D106.B12 408.94,80.47 ; D106.B12 409.75,81.28 ; D106.B12 408.94,82.09 ; SITE4.G2 329.33,181.81 ; SITE4.G2 328.85,181.33 ; SITE4.G2 329.81,181.33 ; SITE4.G2 329.33,180.85 ; 395.43,38.1 D108.B7 ; D108.B7 396.24,37.29 ; D108.B7 396.24,38.91 ; D108.B7 397.05,38.1 ; 91.44,72.85 D130.A3 ; D130.A3 90.63,73.66 ; D130.A3 92.25,73.66 ; D130.A3 91.44,74.47 ; D302.A13 337.82,64.21 ; D302.A13 337.82,62.79 ; D302.A13 337.11,63.5 ; D302.A13 338.53,63.5 ; D111.B15 386.08,371.65 ; D111.B15 385.27,370.84 ; D111.B15 386.89,370.84 ; D111.B15 386.08,370.03 ; 326.85,375.92 D115.A9 ; D115.A9 327.66,375.11 ; D115.A9 327.66,376.73 ; D115.A9 328.47,375.92 ; SITE2.G16 333.11,242.83 ; SITE2.G16 332.63,243.31 ; SITE2.G16 332.63,242.35 ; SITE2.G16 332.15,242.83 ; 170.18,339.55 CSDPS429.C13 ; CSDPS429.C13 169.37,340.36 ; CSDPS429.C13 170.99,340.36 ; CSDPS429.C13 170.18,341.17 ; 347.98,390.35 D116.B1 ; D116.B1 347.17,391.16 ; D116.B1 347.98,391.97 ; D116.B1 348.79,391.16 ; D231.A4 193.85,373.38 ; D231.A4 193.04,372.57 ; D231.A4 192.23,373.38 ; D231.A4 193.04,374.19 ; D130.A7 102.41,73.66 ; D130.A7 101.6,74.47 ; D130.A7 101.6,72.85 ; D130.A7 100.79,73.66 ; D317.B14 193.75,91.44 ; D317.B14 192.33,91.44 ; D317.B14 193.04,92.15 ; D317.B14 193.04,90.73 ; D231.A7 185.42,376.73 ; D231.A7 185.42,375.11 ; D231.A7 184.61,375.92 ; D231.A7 186.23,375.92 ; D231.B10 178.61,368.3 ; D231.B10 177.8,369.11 ; D231.B10 177.8,367.49 ; D231.B10 176.99,368.3 ; 166.93,91.44 D317.B4 ; D317.B4 167.64,92.15 ; D317.B4 167.64,90.73 ; D317.B4 168.35,91.44 ; D106.A1 381.81,73.66 ; D106.A1 381,74.47 ; D106.A1 380.19,73.66 ; D106.A1 381,72.85 ; D114.B10 325.12,348.79 ; D114.B10 325.12,347.17 ; D114.B10 325.93,347.98 ; D114.B10 324.31,347.98 ; D112.A7 406.4,397.05 ; D112.A7 406.4,395.43 ; D112.A7 405.59,396.24 ; D112.A7 407.21,396.24 ; 418.39,66.04 D306.A16 ; D306.A16 419.81,66.04 ; D306.A16 419.1,65.33 ; D306.A16 419.1,66.75 ; 170.18,72.85 D118.A5 ; D118.A5 170.18,74.47 ; D118.A5 169.37,73.66 ; D118.A5 170.99,73.66 ; 175.26,414.48 DPS8.A11 ; DPS8.A11 175.26,416.1 ; DPS8.A11 174.45,415.29 ; DPS8.A11 176.07,415.29 ; D107.A13 412.29,53.34 ; D107.A13 411.48,52.53 ; D107.A13 411.48,54.15 ; D107.A13 410.67,53.34 ; D109.A6 409.75,332.74 ; D109.A6 408.94,331.93 ; D109.A6 408.94,333.55 ; D109.A6 408.13,332.74 ; 317.5,83.11 D301.A5 ; D301.A5 318.21,83.82 ; D301.A5 317.5,84.53 ; D301.A5 316.79,83.82 ; D106.A12 409.75,76.2 ; D106.A12 408.94,75.39 ; D106.A12 408.94,77.01 ; D106.A12 408.13,76.2 ; D113.B8 330.2,328.47 ; D113.B8 329.39,327.66 ; D113.B8 330.2,326.85 ; D113.B8 331.01,327.66 ; 43.18,77.93 D126.B13 ; D126.B13 43.99,78.74 ; D126.B13 43.18,79.55 ; D126.B13 42.37,78.74 ; 160.02,57.61 D119.B1 ; D119.B1 160.02,59.23 ; D119.B1 160.83,58.42 ; D119.B1 159.21,58.42 ; 180.34,329.39 CSDPS229.C9 ; CSDPS229.C9 179.53,330.2 ; CSDPS229.C9 181.15,330.2 ; CSDPS229.C9 180.34,331.01 ; 312.42,57.61 D103.B3 ; D103.B3 312.42,59.23 ; D103.B3 313.23,58.42 ; D103.B3 311.61,58.42 ; D118.A3 165.91,73.66 ; D118.A3 164.29,73.66 ; D118.A3 165.1,74.47 ; D118.A3 165.1,72.85 ; D125.B16 50.8,102.41 ; D125.B16 51.61,101.6 ; D125.B16 49.99,101.6 